# KiCad board MS01.kicad_pcb
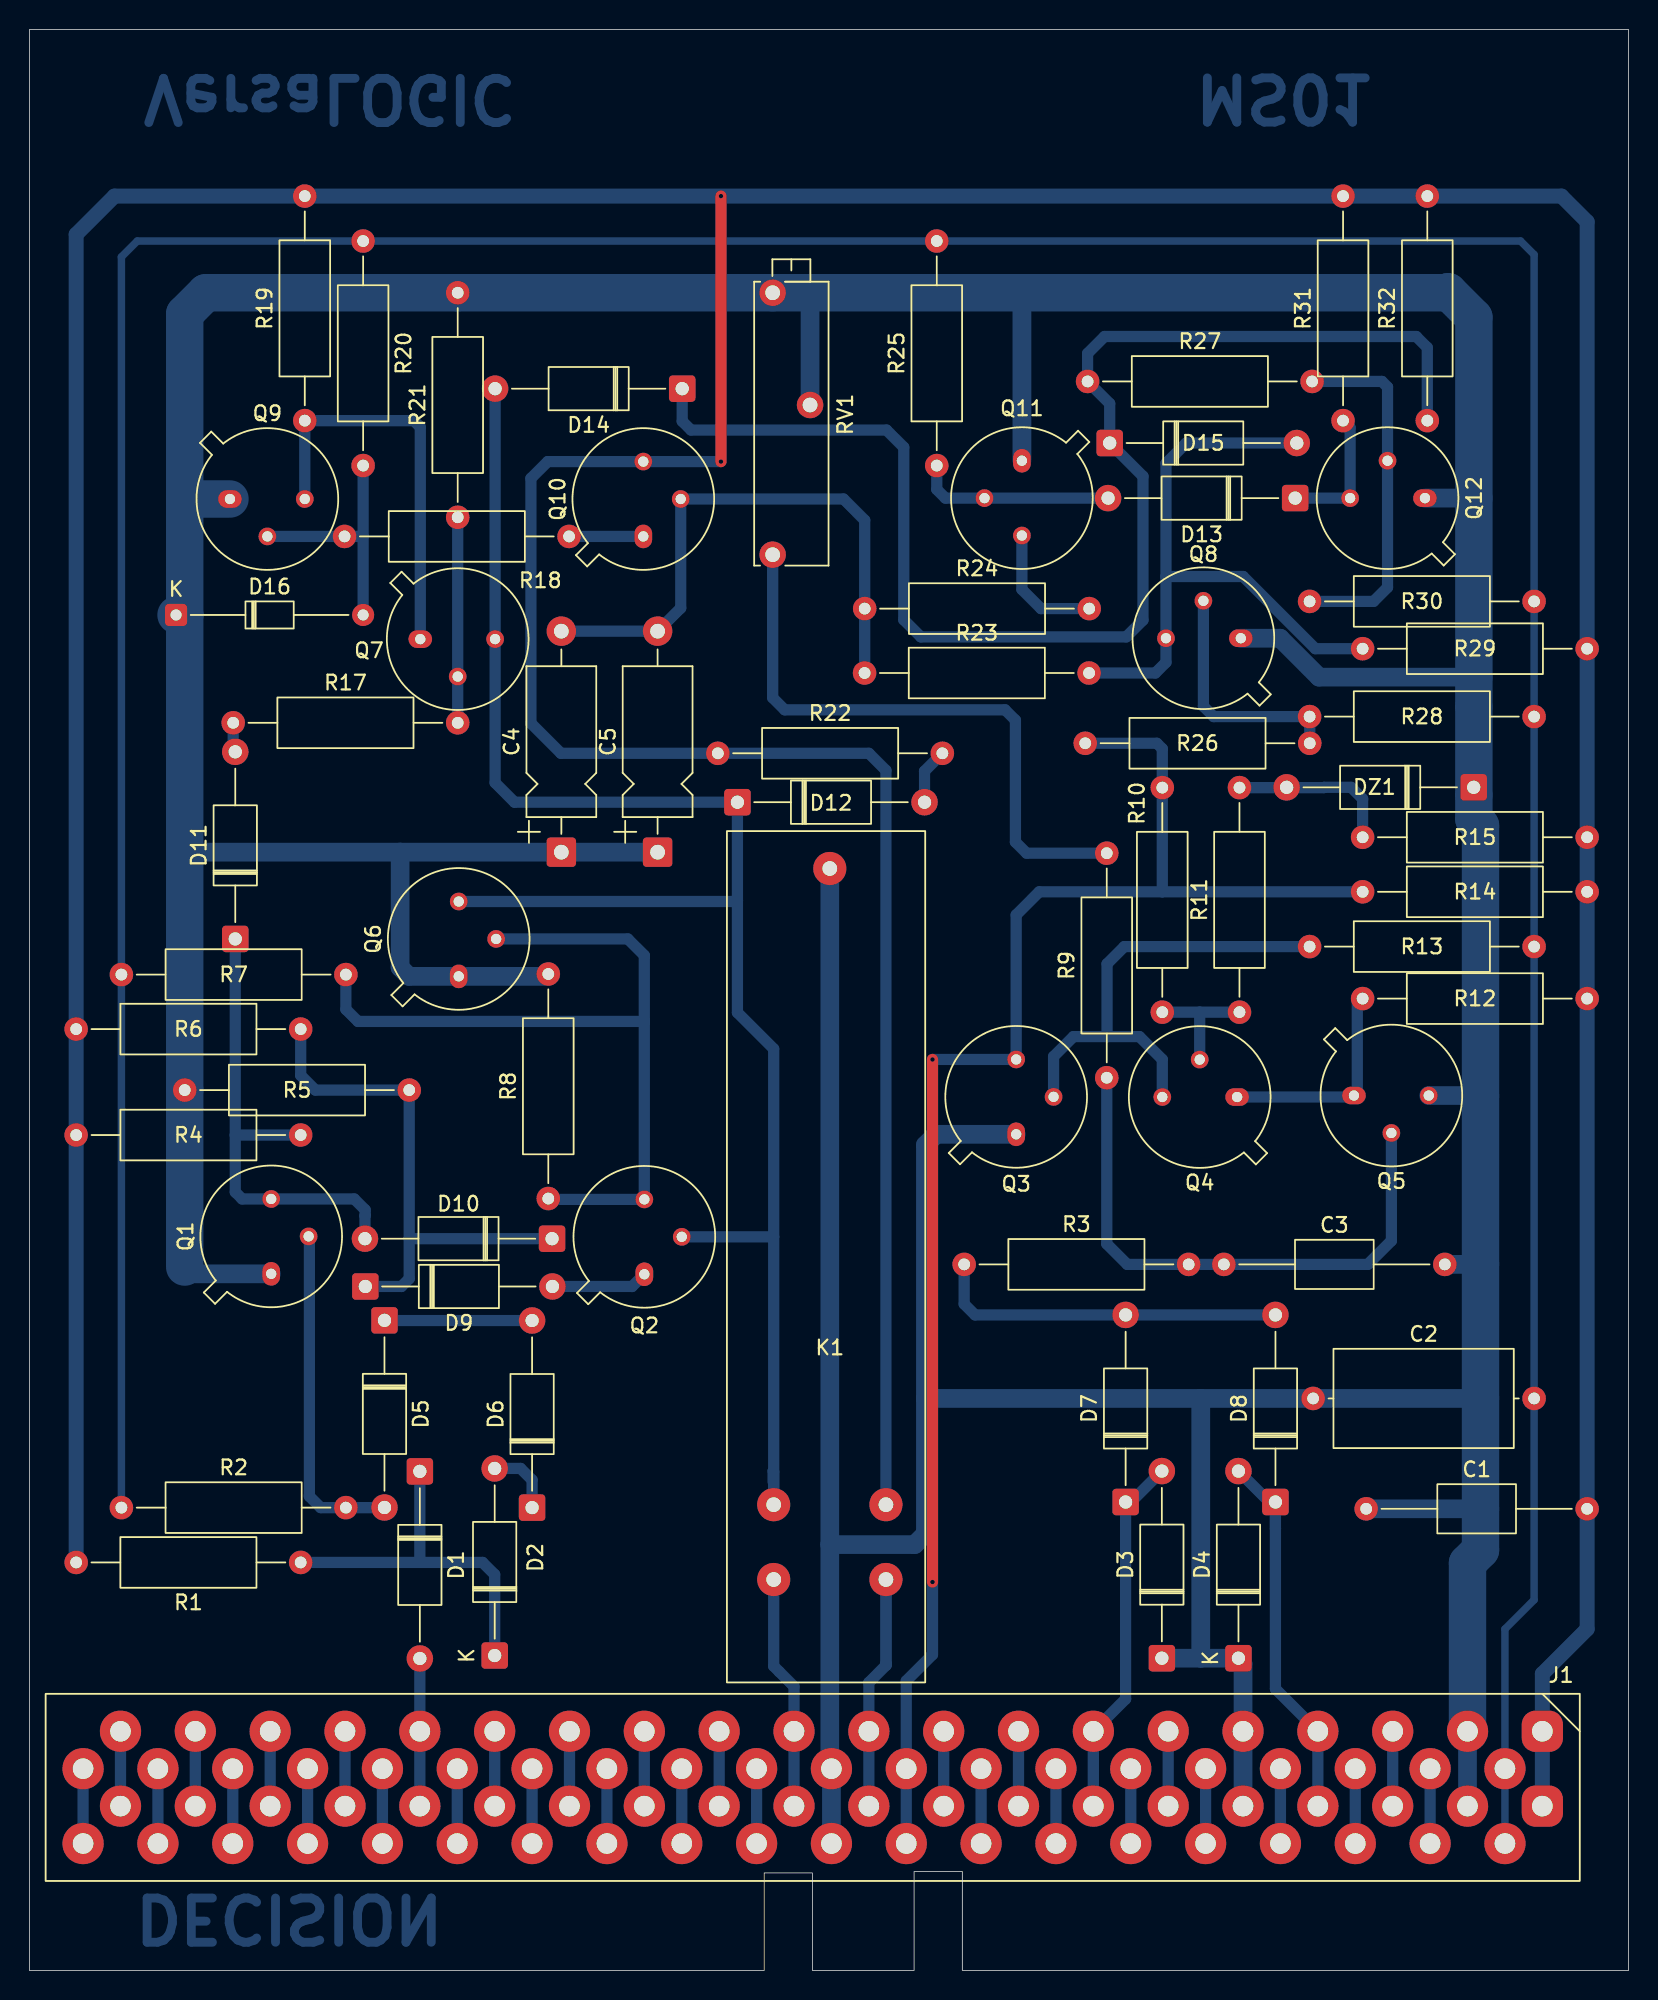
[diagram p0: board, top side]
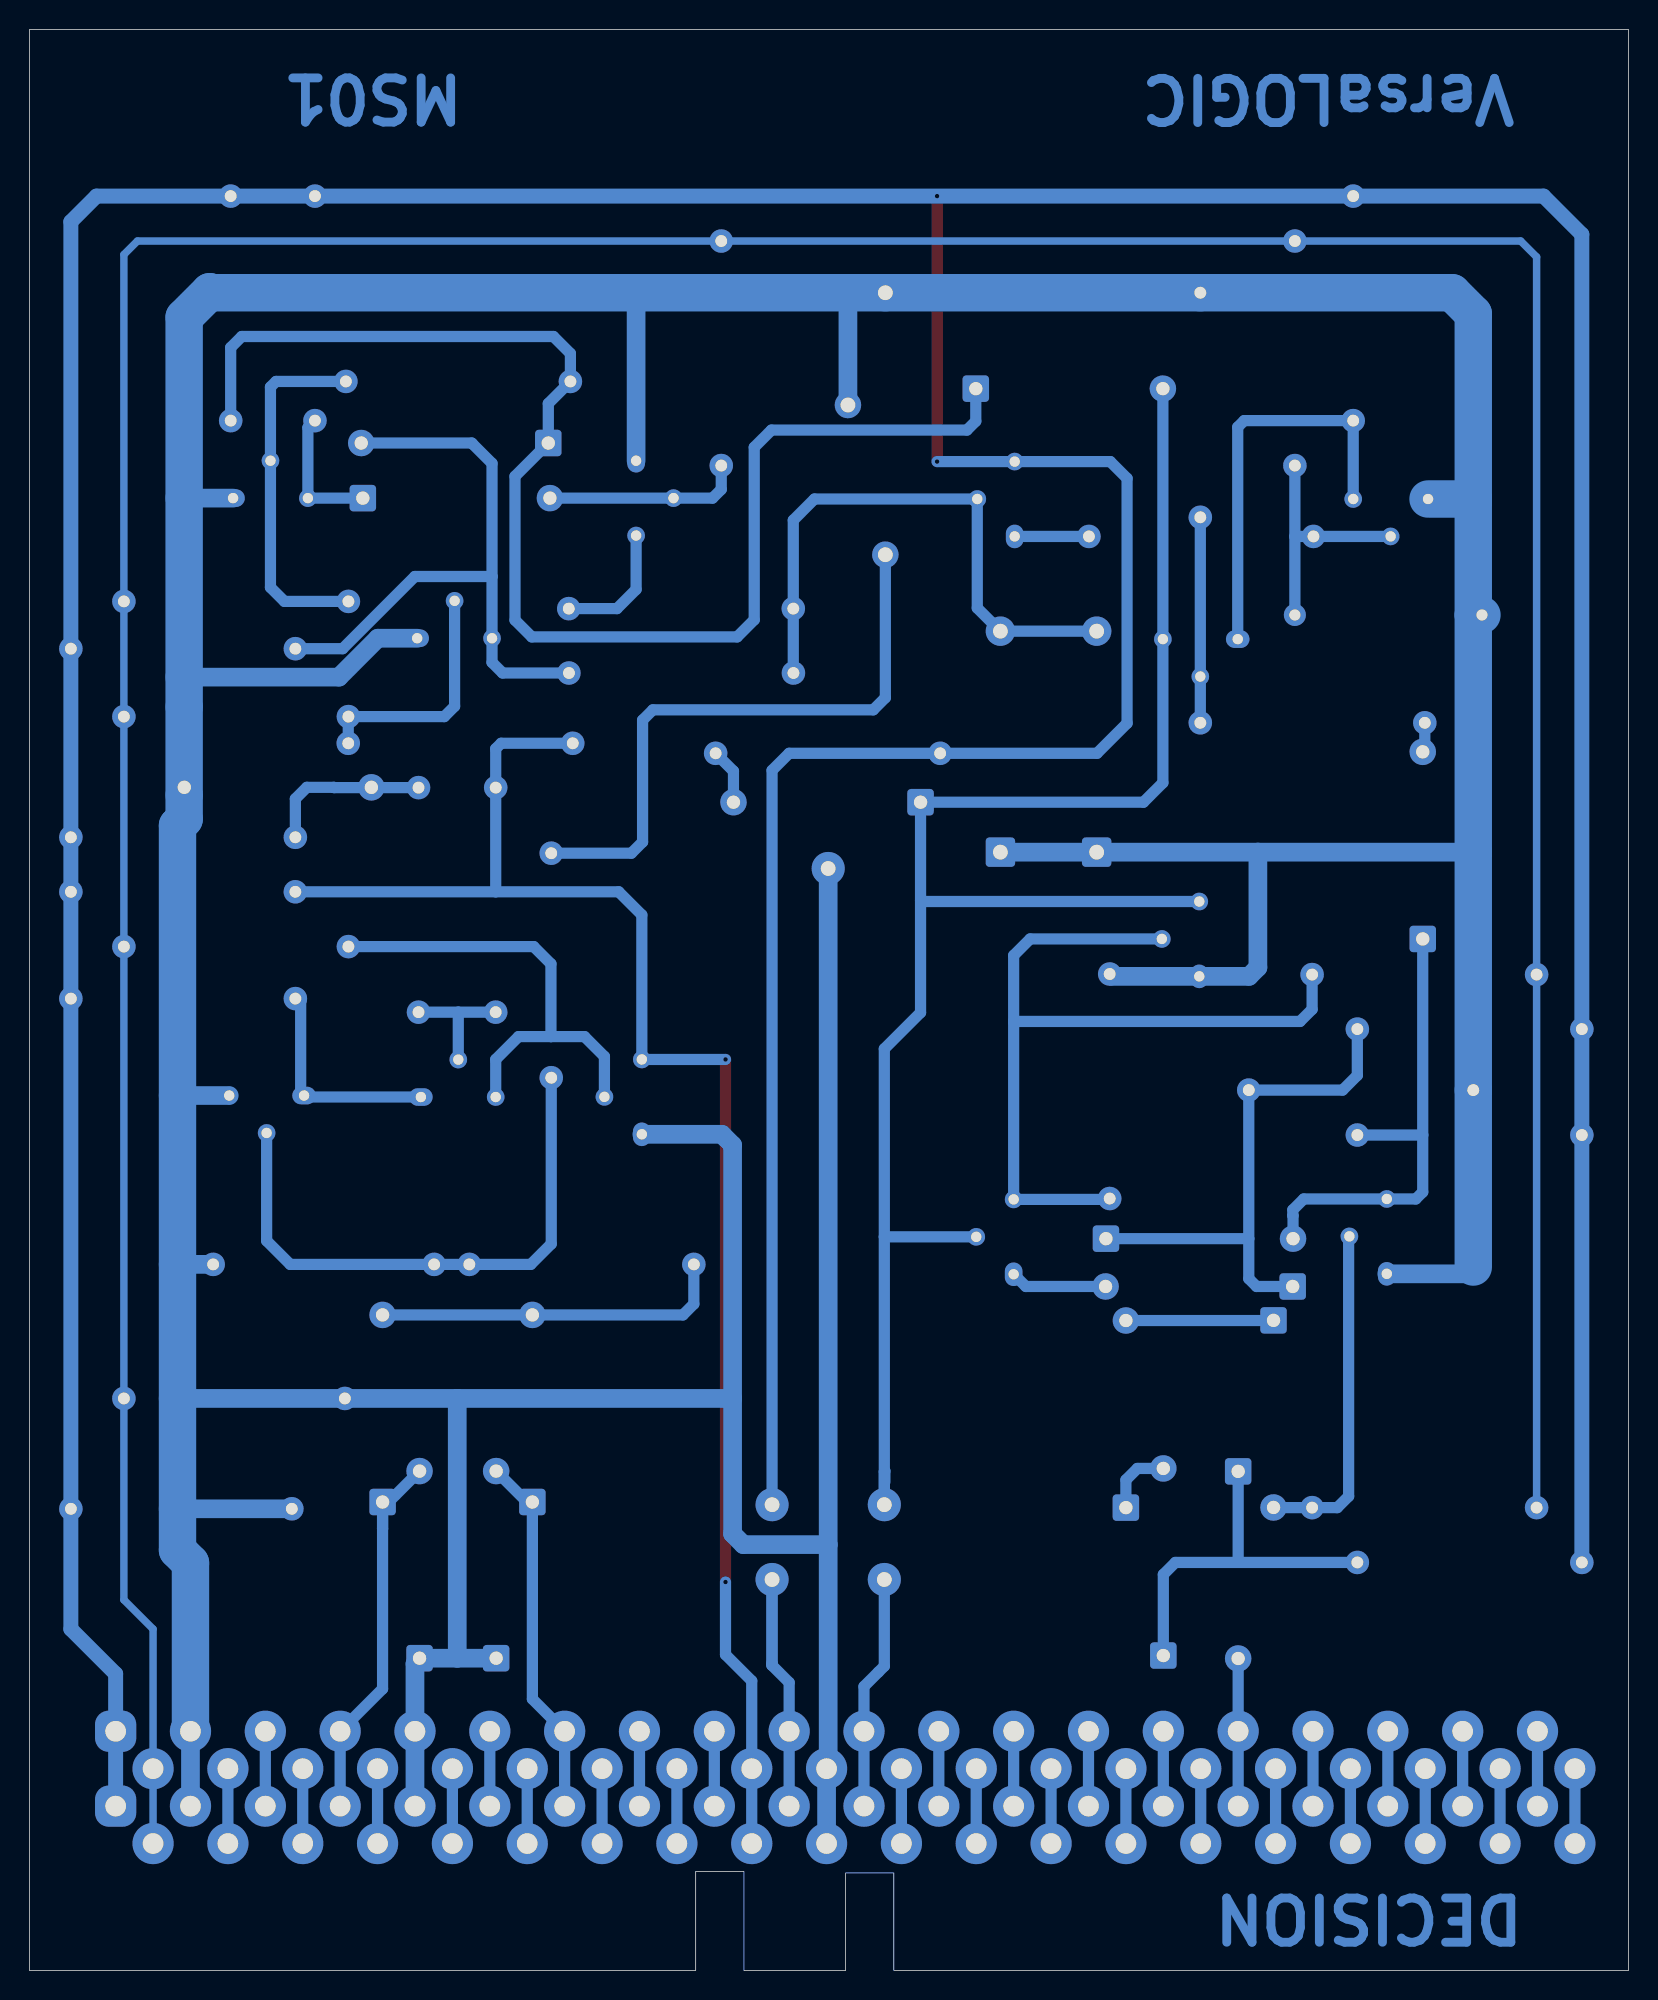
[diagram p1: board, bottom side, seen from below]

Outline 108.55 x 131.75 mm; copper layers: Top, Bottom. Coordinates in mm from the lower left corner of the outline.
Outline path: 49.87,0 49.87,6.62 53.15,6.62 53.15,0 60.05,0 60.05,6.72 63.33,6.72 63.33,0 108.55,0 108.55,131.75 0,131.75 0,0 closed

## Placement (name value [footprint] x y rotation side)
C1  2.2uF 20V  [C_Axial_L5.1mm_D3.1mm_P15.00mm_Horizontal]  90.74 31.34 0 top
C2  10nF 100V  [C_Axial_L12.0mm_D6.5mm_P15.00mm_Horizontal]  87.14 38.83 0 top
C3  2.2uF 20V  [C_Axial_L5.1mm_D3.1mm_P15.00mm_Horizontal]  81.08 47.93 0 top
C4  60uF  [CP_Axial_L10.0mm_D4.5mm_P15.00mm_Horizontal]  36.11 75.91 90 top
C5  60uF  [CP_Axial_L10.0mm_D4.5mm_P15.00mm_Horizontal]  42.64 75.91 90 top
D1  Germanium  [D_A-405_P12.70mm_Horizontal]  26.5 33.88 270 top
D2  S1005  [D_A-405_P12.70mm_Horizontal]  31.58 21.38 90 top
D3  Germanium  [D_A-405_P12.70mm_Horizontal]  76.87 21.2 90 top
D4  Germanium  [D_A-405_P12.70mm_Horizontal]  82.07 21.2 90 top
D5  S1005  [D_A-405_P12.70mm_Horizontal]  24.1 44.13 270 top
D6  S1005  [D_A-405_P12.70mm_Horizontal]  34.12 31.42 90 top
D7  Germanium  [D_A-405_P12.70mm_Horizontal]  74.41 31.8 90 top
D8  Germanium  [D_A-405_P12.70mm_Horizontal]  84.58 31.8 90 top
D9  S1005  [D_A-405_P12.70mm_Horizontal]  22.8 46.43 0 top
D10  Germanium  [D_A-405_P12.70mm_Horizontal]  35.48 49.67 180 top
D11  S1005  [D_A-405_P12.70mm_Horizontal]  13.97 70.02 90 top
D12  Germanium  [D_A-405_P12.70mm_Horizontal]  48.06 79.3 0 top
D13  S1005  [D_A-405_P12.70mm_Horizontal]  85.92 99.94 180 top
D14  Germanium  [D_A-405_P12.70mm_Horizontal]  44.31 107.37 180 top
D15  Germanium  [D_A-405_P12.70mm_Horizontal]  73.33 103.68 0 top
D16  D_Small  [D_DO-34_SOD68_P12.70mm_Horizontal]  9.95 92.01 0 top
DZ1  1N746D  [D_A-405_P12.70mm_Horizontal]  98.04 80.31 180 top
J1  ~  [ELCO 40]  102.7 16.24 0 top
K1  -  [RLIC-12D]  54.33 41.78 0 top
Q1  S1007  [TO-5-3]  16.41 47.29 90 top
Q2  2N1304  [TO-5-3]  41.74 47.26 90 top
Q3  S1007  [TO-5-3]  66.98 56.76 90 top
Q4  2N1304  [TO-5-3]  81.98 59.29 180 top
Q5  2N1304  [TO-5-3]  89.91 59.39 0 top
Q6  S1007  [TO-5-3]  29.14 67.48 90 top
Q7  S1007  [TO-5-3]  26.53 90.37 0 top
Q8  S1007  [TO-5-3]  82.23 90.43 180 top
Q9  S1007  [TO-5-3]  13.61 99.88 0 top
Q10  S1007  [TO-5-3]  41.67 97.34 90 top
Q11  S1007  [TO-5-3]  67.37 102.48 270 top
Q12  S1007  [TO-5-3]  94.73 99.94 180 top
R1  5.1k  [R_Axial_DIN0309_L9.0mm_D3.2mm_P15.24mm_Horizontal]  18.41 27.7 180 top
R2  18k  [R_Axial_DIN0309_L9.0mm_D3.2mm_P15.24mm_Horizontal]  6.24 31.42 0 top
R3  100  [R_Axial_DIN0309_L9.0mm_D3.2mm_P15.24mm_Horizontal]  63.45 47.93 0 top
R4  1k  [R_Axial_DIN0309_L9.0mm_D3.2mm_P15.24mm_Horizontal]  3.17 56.71 0 top
R5  3k  [R_Axial_DIN0309_L9.0mm_D3.2mm_P15.24mm_Horizontal]  10.54 59.76 0 top
R6  3k  [R_Axial_DIN0309_L9.0mm_D3.2mm_P15.24mm_Horizontal]  3.17 63.9 0 top
R7  10k  [R_Axial_DIN0309_L9.0mm_D3.2mm_P15.24mm_Horizontal]  6.24 67.6 0 top
R8  1k  [R_Axial_DIN0309_L9.0mm_D3.2mm_P15.24mm_Horizontal]  35.22 52.4 90 top
R9  2k  [R_Axial_DIN0309_L9.0mm_D3.2mm_P15.24mm_Horizontal]  73.13 60.6 90 top
R10  10k  [R_Axial_DIN0309_L9.0mm_D3.2mm_P15.24mm_Horizontal]  76.9 65.05 90 top
R11  100  [R_Axial_DIN0309_L9.0mm_D3.2mm_P15.24mm_Horizontal]  82.14 65.05 90 top
R12  3k  [R_Axial_DIN0309_L9.0mm_D3.2mm_P15.24mm_Horizontal]  90.5 65.97 0 top
R13  18k  [R_Axial_DIN0309_L9.0mm_D3.2mm_P15.24mm_Horizontal]  86.9 69.5 0 top
R14  1k  [R_Axial_DIN0309_L9.0mm_D3.2mm_P15.24mm_Horizontal]  90.5 73.22 0 top
R15  500  [R_Axial_DIN0309_L9.0mm_D3.2mm_P15.24mm_Horizontal]  90.5 76.92 0 top
R17  6.8k  [R_Axial_DIN0309_L9.0mm_D3.2mm_P15.24mm_Horizontal]  13.83 84.69 0 top
R18  3.9k  [R_Axial_DIN0309_L9.0mm_D3.2mm_P15.24mm_Horizontal]  21.39 97.34 0 top
R19  2k  [R_Axial_DIN0309_L9.0mm_D3.2mm_P15.24mm_Horizontal]  18.69 105.2 90 top
R20  69k  [R_Axial_DIN0309_L9.0mm_D3.2mm_P15.24mm_Horizontal]  22.65 102.15 90 top
R21  1k  [R_Axial_DIN0309_L9.0mm_D3.2mm_P15.24mm_Horizontal]  29.07 98.64 90 top
R22  220  [R_Axial_DIN0309_L9.0mm_D3.2mm_P15.24mm_Horizontal]  46.73 82.62 0 top
R23  10k  [R_Axial_DIN0309_L9.0mm_D3.2mm_P15.24mm_Horizontal]  56.69 88.07 0 top
R24  10  [R_Axial_DIN0309_L9.0mm_D3.2mm_P15.24mm_Horizontal]  56.7 92.44 0 top
R25  18k  [R_Axial_DIN0309_L9.0mm_D3.2mm_P15.24mm_Horizontal]  61.59 102.15 90 top
R26  10k  [R_Axial_DIN0309_L9.0mm_D3.2mm_P15.24mm_Horizontal]  71.67 83.3 0 top
R27  10k  [R_Axial_DIN0309_L9.0mm_D3.2mm_P15.24mm_Horizontal]  71.83 107.86 0 top
R28  39k  [R_Axial_DIN0309_L9.0mm_D3.2mm_P15.24mm_Horizontal]  86.9 85.11 0 top
R29  1k  [R_Axial_DIN0309_L9.0mm_D3.2mm_P15.24mm_Horizontal]  90.5 89.72 0 top
R30  39k  [R_Axial_DIN0309_L9.0mm_D3.2mm_P15.24mm_Horizontal]  86.9 92.93 0 top
R31  3k  [R_Axial_DIN0309_L9.0mm_D3.2mm_P15.24mm_Horizontal]  89.17 105.2 90 top
R32  10k  [R_Axial_DIN0309_L9.0mm_D3.2mm_P15.24mm_Horizontal]  94.89 105.2 90 top
RV1  20k?  [Potentiometer_Bourns_3009Y_Horizontal]  50.45 96.1 270 top

## Library data of the parts
C1-C5 = -: Description: Unpolarized capacitor; ki_fp_filters: C_*
D1-D16 = -: Description: Diode, small symbol; Sim.Device: D; Sim.Pins: 1=K 2=A; ki_fp_filters: TO-???* *_Diode_* *SingleDiode* D_*
DZ1 = -: Description: Zener diode, generic symbol, Alternate KiCAD Library; ki_fp_filters: TO-???* *_Diode_* *SingleDiode* D_*
J1 = -: Description: Generic connector, single row, 01x40, script generated (kicad-library-utils/schlib/autogen/connector/); ki_fp_filters: Connector*:*_1x??_*
Q1 Q3 Q6-Q12 = -: Description: PNP transistor, generic symbol, Alternate KiCAD Library; Sim.Device: PNP; Sim.Type: GUMMELPOON; Sim.Pins: 1=C 2=B 3=E
Q2 Q4 Q5 = -: Description: NPN transistor, generic symbol, Alternate KiCAD Library
R1-R15 R17-R32 = -: Description: Resistor; ki_fp_filters: R_*
RV1 = -: Description: Potentiometer; ki_fp_filters: Potentiometer*

## Footprints (pads in the part's own frame, mm; a bottom-side part is the same pattern mirrored in y, then rotated)
C_Axial_L5.1mm_D3.1mm_P15.00mm_Horizontal
  round 1.6 hole 0.8: 1(0,0) 2(15,0)
C_Axial_L12.0mm_D6.5mm_P15.00mm_Horizontal
  round 1.6 hole 0.8: 1(0,0) 2(15,0)
CP_Axial_L10.0mm_D4.5mm_P15.00mm_Horizontal
  rrect 2x2 hole 1: 1(0,0)
  round 2 hole 1: 2(15,0)
D_A-405_P12.70mm_Horizontal
  rrect 1.8x1.8 hole 0.9: 1(0,0)
  round 1.8 hole 0.9: 2(12.7,0)
D_DO-34_SOD68_P12.70mm_Horizontal
  rrect 1.5x1.5 hole 0.75: 1(0,0)
  round 1.5 hole 0.75: 2(12.7,0)
ELCO 40
  rrect 2.8x2.8 hole 1.4: 1(0,0) 1(0,-5.08)
  round 2.8 hole 1.4: 2(-2.54,-2.54) 2(-2.54,-7.62) 3(-5.08,0) 3(-5.08,-5.08) 4(-7.62,-2.54) 4(-7.62,-7.62) 5(-10.16,0) 5(-10.16,-5.08) 6(-12.7,-2.54) 6(-12.7,-7.62) 7(-15.24,0) 7(-15.24,-5.08) 8(-17.78,-2.54) 8(-17.78,-7.62) 9(-20.32,0) 9(-20.32,-5.08) 10(-22.86,-2.54) 10(-22.86,-7.62) 11(-25.4,0) 11(-25.4,-5.08) 12(-27.94,-2.54) 12(-27.94,-7.62) 13(-30.48,0) 13(-30.48,-5.08) 14(-33.02,-2.54) 14(-33.02,-7.62) 15(-35.56,0) 15(-35.56,-5.08) 16(-38.1,-2.54) 16(-38.1,-7.62) 17(-40.64,0) 17(-40.64,-5.08) 18(-43.18,-2.54) 18(-43.18,-7.62) 19(-45.72,0) 19(-45.72,-5.08) 20(-48.26,-2.54) 20(-48.26,-7.62) 21(-50.8,0) 21(-50.8,-5.08) 22(-53.34,-2.54) 22(-53.34,-7.62) 23(-55.88,0) 23(-55.88,-5.08) 24(-58.42,-2.54) 24(-58.42,-7.62) 25(-60.96,0) 25(-60.96,-5.08) 26(-63.5,-2.54) 26(-63.5,-7.62) 27(-66.04,0) 27(-66.04,-5.08) 28(-68.58,-2.54) 28(-68.58,-7.62) 29(-71.12,0) 29(-71.12,-5.08) 30(-73.66,-2.54) 30(-73.66,-7.62) 31(-76.2,0) 31(-76.2,-5.08) 32(-78.74,-2.54) 32(-78.74,-7.62) 33(-81.28,0) 33(-81.28,-5.08) 34(-83.82,-2.54) 34(-83.82,-7.62) 35(-86.36,0) 35(-86.36,-5.08) 36(-88.9,-2.54) 36(-88.9,-7.62) 37(-91.44,0) 37(-91.44,-5.08) 38(-93.98,-2.54) 38(-93.98,-7.62) 39(-96.52,0) 39(-96.52,-5.08) 40(-99.06,-2.54) 40(-99.06,-7.62)
Potentiometer_Bourns_3009Y_Horizontal
  round 1.8 hole 1: 1(0,0) 2(-10.16,2.54) 3(-17.78,0)
R_Axial_DIN0309_L9.0mm_D3.2mm_P15.24mm_Horizontal
  round 1.6 hole 0.8: 1(0,0) 2(15.24,0)
RLIC-12D
  round 2.25 hole 1: 1(-3.81,-15.24) 2(3.81,-15.24) 3(-3.81,-10.16) 4(3.81,-10.16) 5(0,33.02)
TO-5-3
  oval 1.6x1.2 hole 0.7: 1(0,0)
  round 1.2 hole 0.7: 2(2.54,-2.54) 3(5.08,0)

## Nets
+6V: C2.2 J1.2 R2.1 R7.1 R13.2 R20.2 R25.2 R28.2 R30.2
-12V: C1.2 J1.1 K1.4 Q10.3 R1.2 R4.1 R6.1 R12.2 R14.2 R15.2 R19.2 R22.1 R29.2 R31.2 R32.2
GND: C1.1 C2.1 C3.2 C4.1 C5.1 D3.1 D4.1 D16.1 DZ1.1 J1.3 J1.9 J1.20 K1.5 Q1.1 Q3.1 Q5.3 Q6.1 Q8.1 Q9.1 Q11.1 Q12.1 R5.1 R8.2 R21.2 RV1.2 RV1.3
/OUT2: D15.2 Q8.3 R23.2 R29.1
J1-4: J1.4
J1-5: J1.5
J1-6: J1.6
J1-7: D4.2 D8.1 J1.7
J1-8: J1.8
J1-10: J1.10
J1-11: J1.11
J1-12: J1.12
J1-13: D3.2 D7.1 J1.13
J1-14: J1.14
J1-15: J1.15
J1-16: J1.16
J1-17: J1.17
J1-18: J1.18 Q3.3 R10.2 R14.1 R26.1
J1-19: J1.19 K1.2
J1-21: J1.21 K1.1
J1-22: J1.22
J1-23: J1.23
J1-24: J1.24
J1-25: J1.25
J1-26: J1.26
J1-27: J1.27
J1-28: J1.28
J1-29: J1.29
J1-30: J1.30
J1-31: D1.2 J1.31
J1-32: J1.32
J1-33: J1.33
J1-34: J1.34
J1-35: J1.35
J1-36: J1.36
J1-37: J1.37
J1-38: J1.38
J1-39: J1.39
J1-40: J1.40
Net-(D1-K): D1.1 D2.1 R1.1
Net-(D2-A): D2.2 D6.1
Net-(D5-A): D5.2 Q1.2 R2.2
Net-(D5-K): D5.1 D6.2
Net-(D7-A): D7.2 D8.2 R3.1
Net-(D9-A): D9.2 Q2.1
Net-(D10-A): D10.2 D11.1 Q1.3 R4.2
Net-(D10-K): D9.1 D10.1 R5.2 R6.2
Net-(D11-A): D11.2 R17.1
Net-(D12-A): D12.2 R22.2
Net-(D12-K): D12.1 D14.2 K1.3 Q2.2 Q6.3 Q7.3
Net-(D13-A): D13.2 Q11.2 R25.1
Net-(D13-K): D13.1 Q12.3 R31.1
Net-(D14-K): D14.1 D15.1 R27.1 R32.1
Net-(D16-A): D16.2 Q9.2 R18.1 R20.1
Net-(DZ1-A): DZ1.2 R11.2 R15.1
Net-(Q2-C): Q2.3 Q6.2 R7.2 R8.1
Net-(Q3-B): Q3.2 Q4.3 R13.1
Net-(Q4-B): Q4.2 R10.1 R11.1
Net-(Q4-E): Q4.1 Q5.1 R12.1
Net-(Q5-B): C3.1 Q5.2 R3.2 R9.1
Net-(Q7-B): Q7.2 R17.2 R21.1
Net-(Q7-E): Q7.1 Q9.3 R19.1
Net-(Q8-B): Q8.2 R26.2 R28.1
Net-(Q10-B): C4.2 C5.2 Q10.2 R23.1 R24.1
Net-(Q10-E): Q10.1 R18.2
Net-(Q11-C): Q11.3 R24.2
Net-(Q12-B): Q12.2 R27.2 R30.1
Net-(R9-Pad2): R9.2 RV1.1

## Via types
v1: diameter 0.6, hole 0.3, Top to Bottom, 4 vias

## Routing (per net, layer and track width the routed paths; a pad name or vN(x,y) marks a point on that pad's centre or on a via; arc(x,y) is an arc through that point)
+6V: length 290.3
  Bottom w0.508: R2.1 R7.1 6.24,116.31 7.32,117.39 R20.2 R25.2 101.22,117.39 102.14,116.47 R30.2 R13.2 C2.2 102.14,25.16 100.16,23.18 J1.2 J1.2
-12V: length 426.6
  Top w0.762: v1(46.94,102.42) v1(46.94,120.44)
  Bottom w0.762: v1(46.94,102.42) Q10.3 35.18,102.42 34.04,101.28 34.04,84.66 36.08,82.62 R22.1 56.98,82.62 58.14,81.46 K1.4
  Bottom w1.016: J1.1 J1.1 102.7,20.14 105.74,23.18 C1.2 R12.2 R15.2 R29.2 105.74,118.7 104,120.44 R32.2 R31.2 R19.2 5.77,120.44 3.17,117.84 R6.1 R1.2
GND: length 544.7
  Bottom w0.2: 54.33,13.81 J1.20 ; 35.06,67.48 R8.2
  Bottom w1.27: 79.52,38.83 C2.1 98.5,38.83 ; 79.52,38.83 60.82,38.83 ; 79.52,38.83 79.51,38.82 79.51,21.2 ; J1.9 J1.9 82.38,20.82 82.07,21.13 ; 54.33,28.91 60.09,28.91 60.82,29.64 60.82,38.83 ; 54.33,28.91 54.33,13.81 ; 54.33,28.91 K1.5 ; 79.51,21.2 D3.1 ; 79.51,21.2 D4.1 ; J1.3 J1.3 ; C1.1 98.5,31.34 ; C5.1 25.16,75.91 ; 25.16,75.91 10.54,75.91 ; 25.16,75.91 25.16,68.08 25.76,67.48 Q6.1 35.06,67.48 ; C3.2 98.5,47.93 ; 60.82,38.83 60.82,56.03 61.55,56.76 Q3.1 ; Q12.1 98.05,99.94 ; Q5.3 98.5,59.39 ; 52.99,113.95 RV1.2 ; Q11.1 67.37,113.95 ; J1.20 J1.20 ; Q1.1 11,47.29 10.54,47.75 ; 98.05,87.79 87.54,87.79 84.9,90.43 Q8.1
  Bottom w2.54: 10.54,99.88 10.54,92.01 ; 10.54,99.88 10.54,112.45 11.97,113.88 R21.2 RV1.3 96.24,113.88 96.31,113.95 98.05,112.21 98.05,78.16 98.5,77.71 98.5,28.54 97.62,27.66 J1.3 ; 10.54,99.88 Q9.1 ; D16.1 10.54,92.01 ; 10.54,92.01 R5.1 10.54,47.75
/OUT2: length 43.9
  Bottom w0.762: 77.15,94.62 Q8.3 77.15,88.79 76.43,88.07 R23.2 ; 77.15,94.62 77.15,102.3 78.53,103.68 D15.2 ; 77.15,94.62 82.39,94.62 87.29,89.72 R29.1
J1-4: length 5.1
  Bottom w0.762: J1.4 J1.4
J1-5: length 5.1
  Bottom w0.762: J1.5 J1.5
J1-6: length 5.1
  Bottom w0.762: J1.6 J1.6
J1-7: length 26.6
  Bottom w0.762: D4.2 84.17,31.8 D8.1 84.58,29.99 ; 84.58,29.99 84.58,31.39 ; 84.58,29.99 84.58,19.12 J1.7 J1.7
J1-8: length 5.1
  Bottom w0.762: J1.8 J1.8
J1-10: length 5.1
  Bottom w0.762: J1.10 J1.10
J1-11: length 5.1
  Bottom w0.762: J1.11 J1.11
J1-12: length 5.1
  Bottom w0.762: J1.12 J1.12
J1-13: length 24.9
  Bottom w0.762: J1.13 J1.13 74.41,18.43 D7.1 74.77,31.8 D3.2
J1-14: length 5.1
  Bottom w0.762: J1.14 J1.14
J1-15: length 5.1
  Bottom w0.762: J1.15 J1.15
J1-16: length 5.1
  Bottom w0.762: J1.16 J1.16
J1-17: length 5.1
  Bottom w0.762: J1.17 J1.17
J1-18: length 108.7
  Top w0.762: v1(61.3,26.37) v1(61.3,61.84)
  Bottom w0.762: J1.18 J1.18 59.52,19.66 61.3,21.44 v1(61.3,26.37) ; 76.9,73.22 R10.2 76.9,82.93 76.53,83.3 R26.1 ; 76.9,73.22 68.55,73.22 66.98,71.65 Q3.3 v1(61.3,61.84) ; 76.9,73.22 R14.1
J1-19: length 20.6
  Bottom w0.762: 58.15,20.72 58.15,25.43 ; 58.15,20.72 56.98,19.55 J1.19 J1.19 ; 58.15,20.72 58.15,20.85 58.14,20.86 K1.2
J1-21: length 16
  Bottom w0.762: J1.21 J1.21 51.9,19.28 50.52,20.66 K1.1
J1-22: length 5.1
  Bottom w0.762: J1.22 J1.22
J1-23: length 5.1
  Bottom w0.762: J1.23 J1.23
J1-24: length 5.1
  Bottom w0.762: J1.24 J1.24
J1-25: length 5.1
  Bottom w0.762: J1.25 J1.25
J1-26: length 5.1
  Bottom w0.762: J1.26 J1.26
J1-27: length 5.1
  Bottom w0.762: J1.27 J1.27
J1-28: length 5.1
  Bottom w0.762: J1.28 J1.28
J1-29: length 5.1
  Bottom w0.762: J1.29 J1.29
J1-30: length 5.1
  Bottom w0.762: J1.30 J1.30
J1-31: length 10
  Bottom w0.762: D1.2 J1.31 J1.31
J1-32: length 5.1
  Bottom w0.762: J1.32 J1.32
J1-33: length 5.1
  Bottom w0.762: J1.33 J1.33
J1-34: length 5.1
  Bottom w0.762: J1.34 J1.34
J1-35: length 5.1
  Bottom w0.762: J1.35 J1.35
J1-36: length 5.1
  Bottom w0.762: J1.36 J1.36
J1-37: length 5.1
  Bottom w0.762: J1.37 J1.37
J1-38: length 5.1
  Bottom w0.762: J1.38 J1.38
J1-39: length 5.1
  Bottom w0.762: J1.39 J1.39
J1-40: length 5.1
  Bottom w0.762: J1.40 J1.40
Net-(D1-K): length 25.3
  Bottom w0.762: D2.1 31.58,26.88 30.76,27.7 26.5,27.7 ; D1.1 26.5,27.7 ; 26.5,27.7 18.34,27.7
Net-(D2-A): length 4.7
  Bottom w0.762: D2.2 33.34,34.08 34.12,33.3 D6.1
Net-(D5-A): length 23
  Bottom w0.762: 24.1,31.42 R2.2 19.77,31.42 19,32.19 19,49.75
Net-(D5-K): length 10
  Bottom w0.762: D6.2 24.1,44.12
Net-(D7-A): length 24.1
  Bottom w0.762: R3.1 63.45,45.24 64.19,44.5 D7.2 D8.2
Net-(D9-A): length 6.6
  Bottom w0.762: D9.2 40.91,46.43 Q2.1
Net-(D10-A): length 32.9
  Bottom w0.762: R4.2 13.97,56.71 ; 13.97,56.71 D11.1 ; 13.97,56.71 13.97,52.84 14.44,52.37 Q1.3 22.05,52.37 22.79,51.63 22.79,51.25 22.77,51.23 D10.2
Net-(D10-K): length 36.6
  Bottom w0.762: D9.1 25.25,46.43 25.78,46.96 25.78,49.67 ; 25.78,49.67 D10.1 ; 25.78,49.67 R5.2 19.41,59.76 18.41,60.76 R6.2
Net-(D11-A): length 2.2
  Bottom w0.762: 13.97,84.6 14.06,84.69 ; D11.2 13.83,82.86 R17.1
Net-(D12-A): length 3.8
  Bottom w0.762: D12.2 60.76,81.41 R22.2
Net-(D12-K): length 120.7
  Bottom w0.762: D14.2 Q7.3 31.61,80.62 32.93,79.3 D12.1 48.06,72.65 ; 48.06,72.65 47.97,72.56 Q6.3 ; 48.06,72.65 48.06,65.02 50.52,62.56 50.52,49.8 ; 50.52,49.8 K1.3 50.52,33.86 50.48,33.9 50.48,33.17 ; 50.52,49.8 Q2.2
Net-(D13-A): length 13.5
  Bottom w0.762: R25.1 61.59,100.53 62.18,99.94 Q11.2 D13.2
Net-(D13-K): length 9.2
  Bottom w0.762: R31.1 89.65,104.72 Q12.3 D13.1
Net-(D14-K): length 95.4
  Bottom w0.762: D14.1 44.31,105.16 44.91,104.56 58.18,104.56 59.35,103.39 59.35,91.68 60.51,90.52 74.45,90.52 75.59,91.66 75.59,101.42 D15.1 73.33,106.36 R27.1 71.83,109.76 72.98,110.91 94.14,110.91 94.89,110.16 R32.1
Net-(D16-A): length 16.6
  Bottom w0.762: R20.1 22.65,97.34 ; 22.65,97.34 R18.1 Q9.2 ; 22.65,97.34 D16.2
Net-(DZ1-A): length 11.3
  Bottom w0.762: R15.1 90.5,79.53 89.72,80.31 87.89,80.31 87.87,80.29 R11.2
Net-(Q2-C): length 56.6
  Bottom w0.762: R7.2 21.48,65.24 22.3,64.42 41.74,64.42 ; 41.74,64.42 41.74,68.9 40.62,70.02 Q6.2 ; 41.74,64.42 Q2.3 35.28,52.34 R8.1
Net-(Q3-B): length 33.2
  Bottom w0.762: 73.15,63.39 73.15,68.33 74.32,69.5 87.1,69.5 ; 73.15,63.39 75.35,63.39 76.9,61.84 Q4.3 ; 73.15,63.39 70.87,63.39 69.52,62.04 Q3.2
Net-(Q4-B): length 8.5
  Bottom w0.762: Q4.2 79.44,65.05 ; 79.44,65.05 R11.1 ; 79.44,65.05 R10.1
Net-(Q4-E): length 14.6
  Bottom w0.762: 90.14,65.97 90.14,59.62 Q5.1 89.81,59.29 Q4.1
Net-(Q5-B): length 39.2
  Bottom w0.762: Q5.2 92.45,49.53 90.85,47.93 C3.1 R3.2 74.52,47.93 73.13,49.32 R9.1
Net-(Q7-B): length 13.9
  Bottom w0.762: R17.2 Q7.2 R21.1
Net-(Q7-E): length 27.7
  Bottom w0.762: Q7.1 26.53,104.76 26.09,105.2 R19.1 Q9.3
Net-(Q8-B): length 16.5
  Bottom w0.762: R26.2 86.91,85.1 R28.1 80.39,85.11 79.69,85.81 Q8.2
Net-(Q10-B): length 39.6
  Bottom w0.762: R23.1 56.7,88.08 R24.1 56.7,98.44 55.26,99.88 Q10.2 44.21,92.48 C5.2 C4.2
Net-(Q10-E): length 5
  Bottom w0.762: Q10.1 R18.2
Net-(Q11-C): length 8.8
  Bottom w0.762: R24.2 68.67,92.44 67.37,93.74 Q11.3
Net-(Q12-B): length 24.6
  Bottom w0.762: R30.1 91.24,92.93 92.19,93.88 Q12.2 92.19,107.48 91.81,107.86 R27.2
Net-(R9-Pad2): length 41.6
  Bottom w0.762: R9.2 67.69,75.84 66.93,76.6 66.93,84.87 66.23,85.57 51.27,85.57 50.45,86.39 RV1.1

## Text on the board
Bottom: DECISION | VersaLOGIC | MS01
